# Altium PCB B0621_T01_V1.0.PcbDoc (part 1 of 2)
Units mm, origin at the board's own origin, x right, y up, seen from the top; angles counter-clockwise.
Board outline 42.07 x 60.08 mm, 4 copper layers (Top Layer, MidLayer1, MidLayer2, Bottom Layer); 173 components, 119 nets, 696 pads, 191 vias.
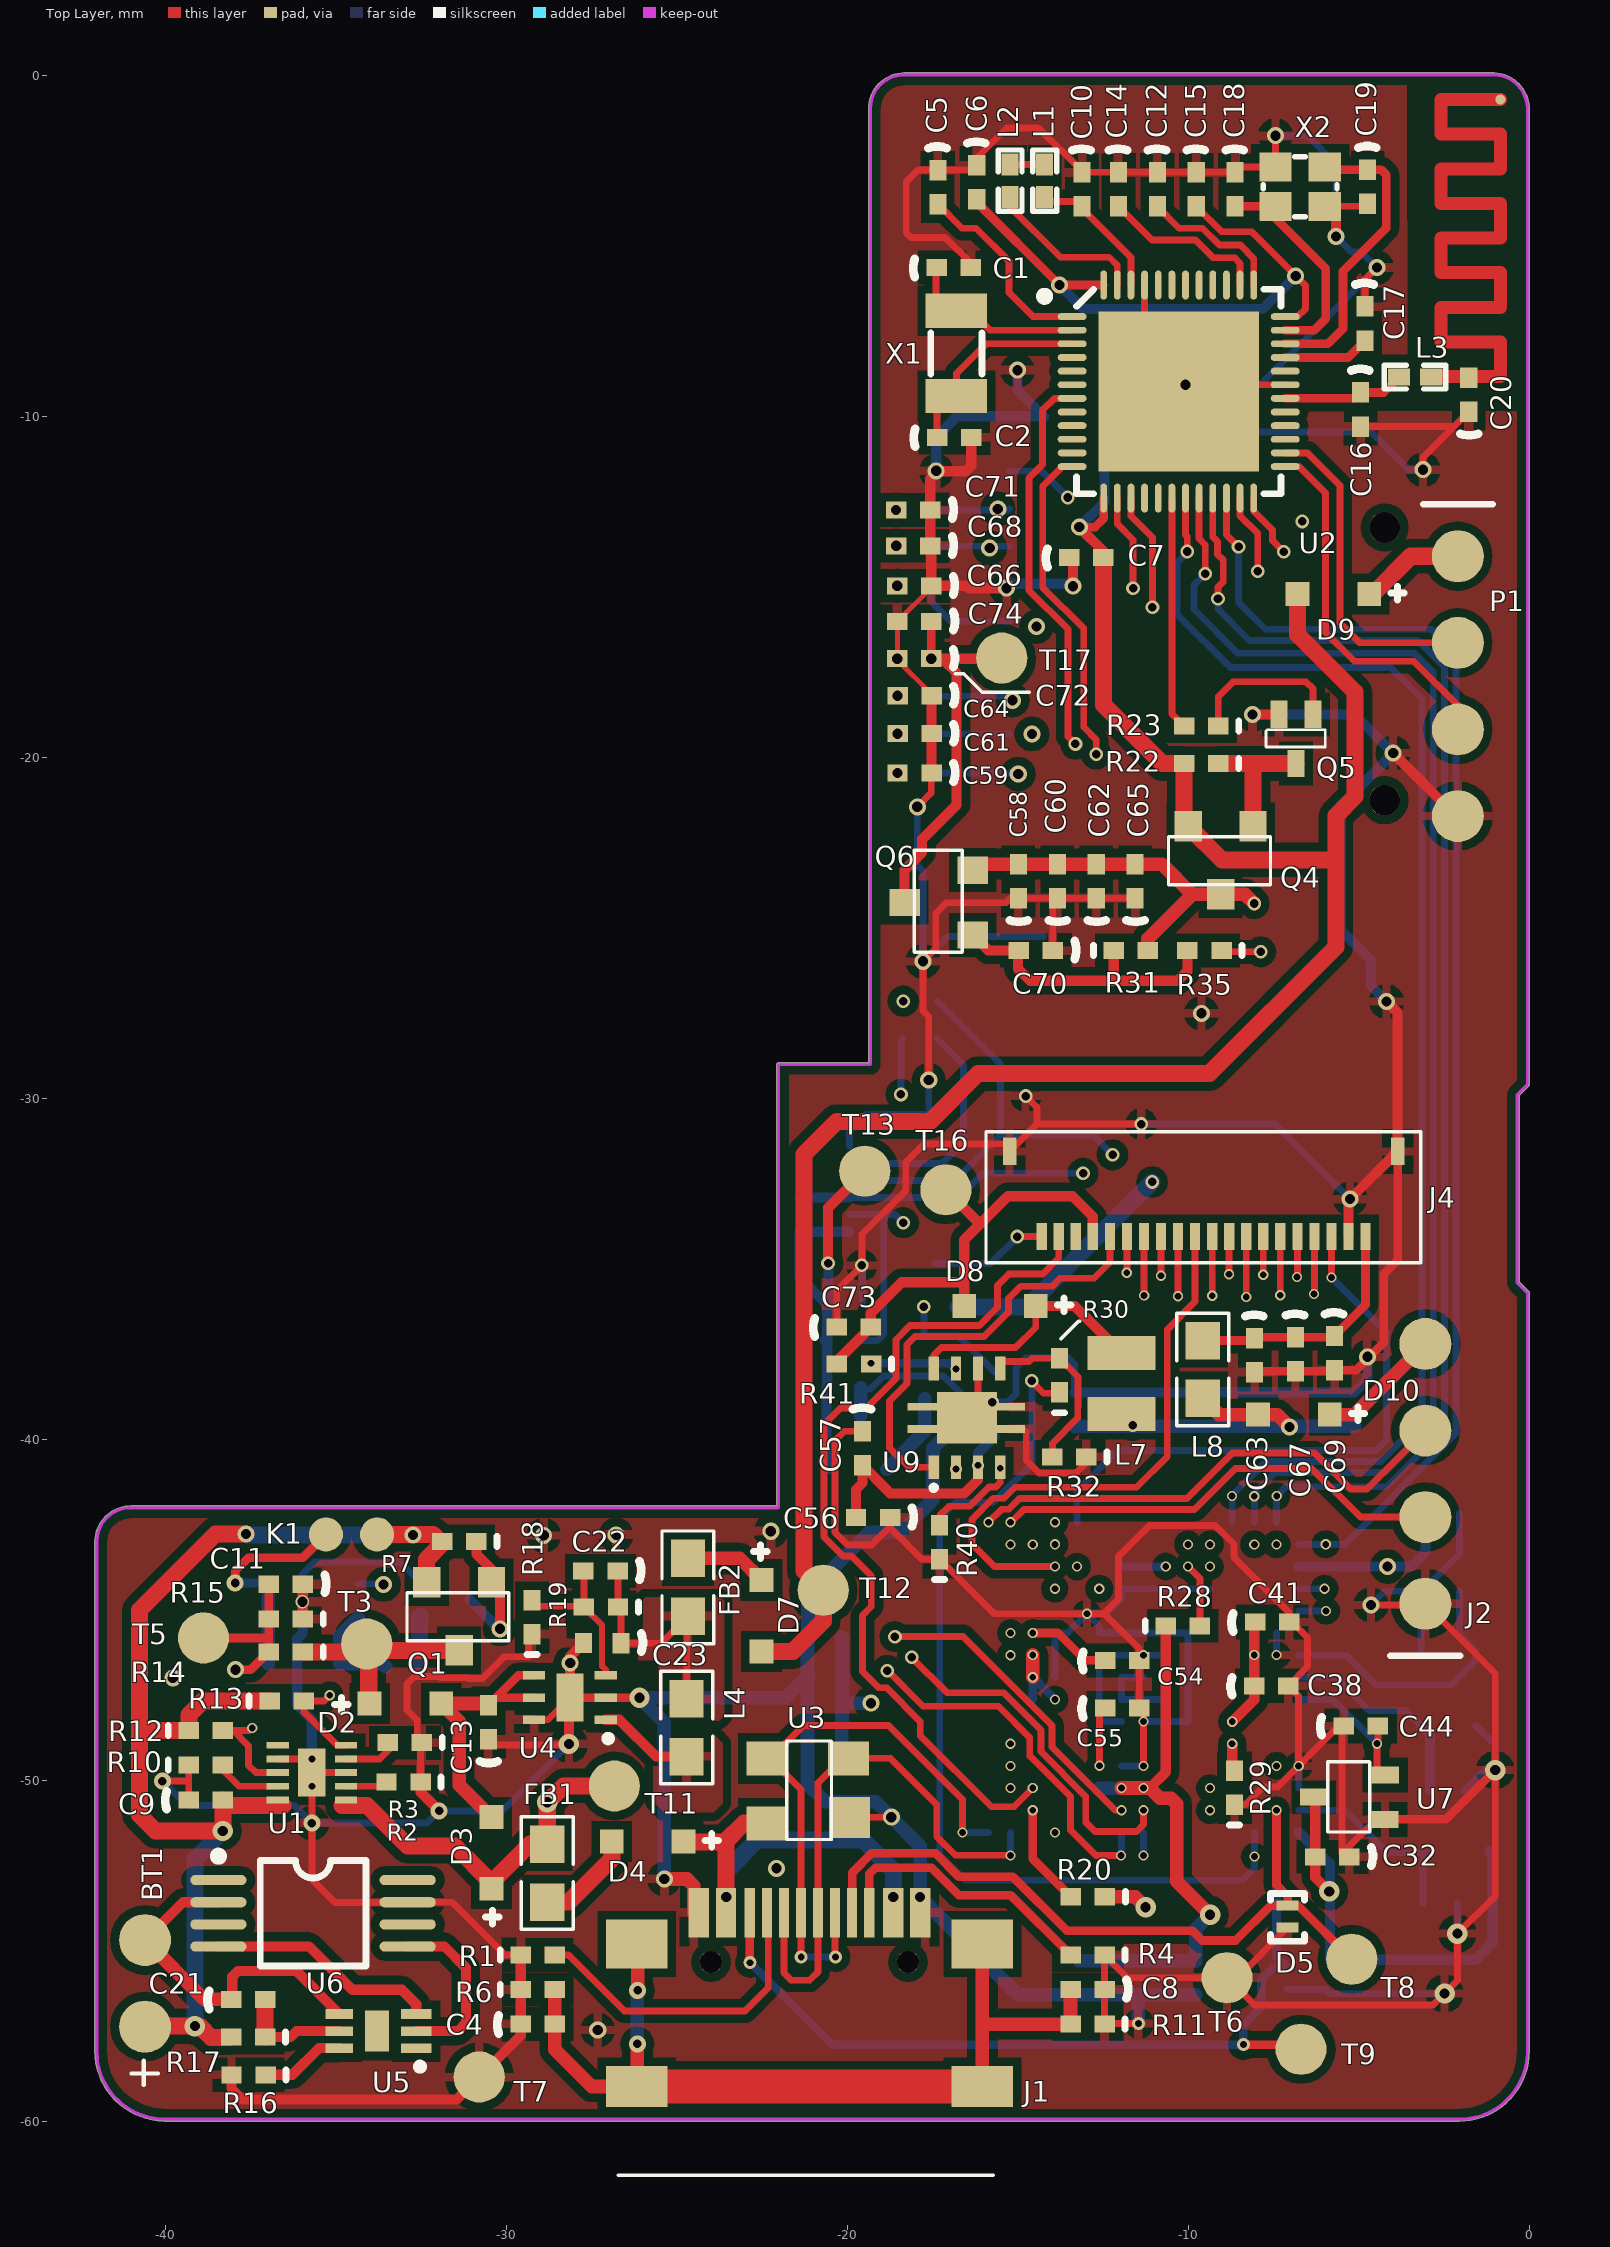
[diagram p0: Top Layer view]
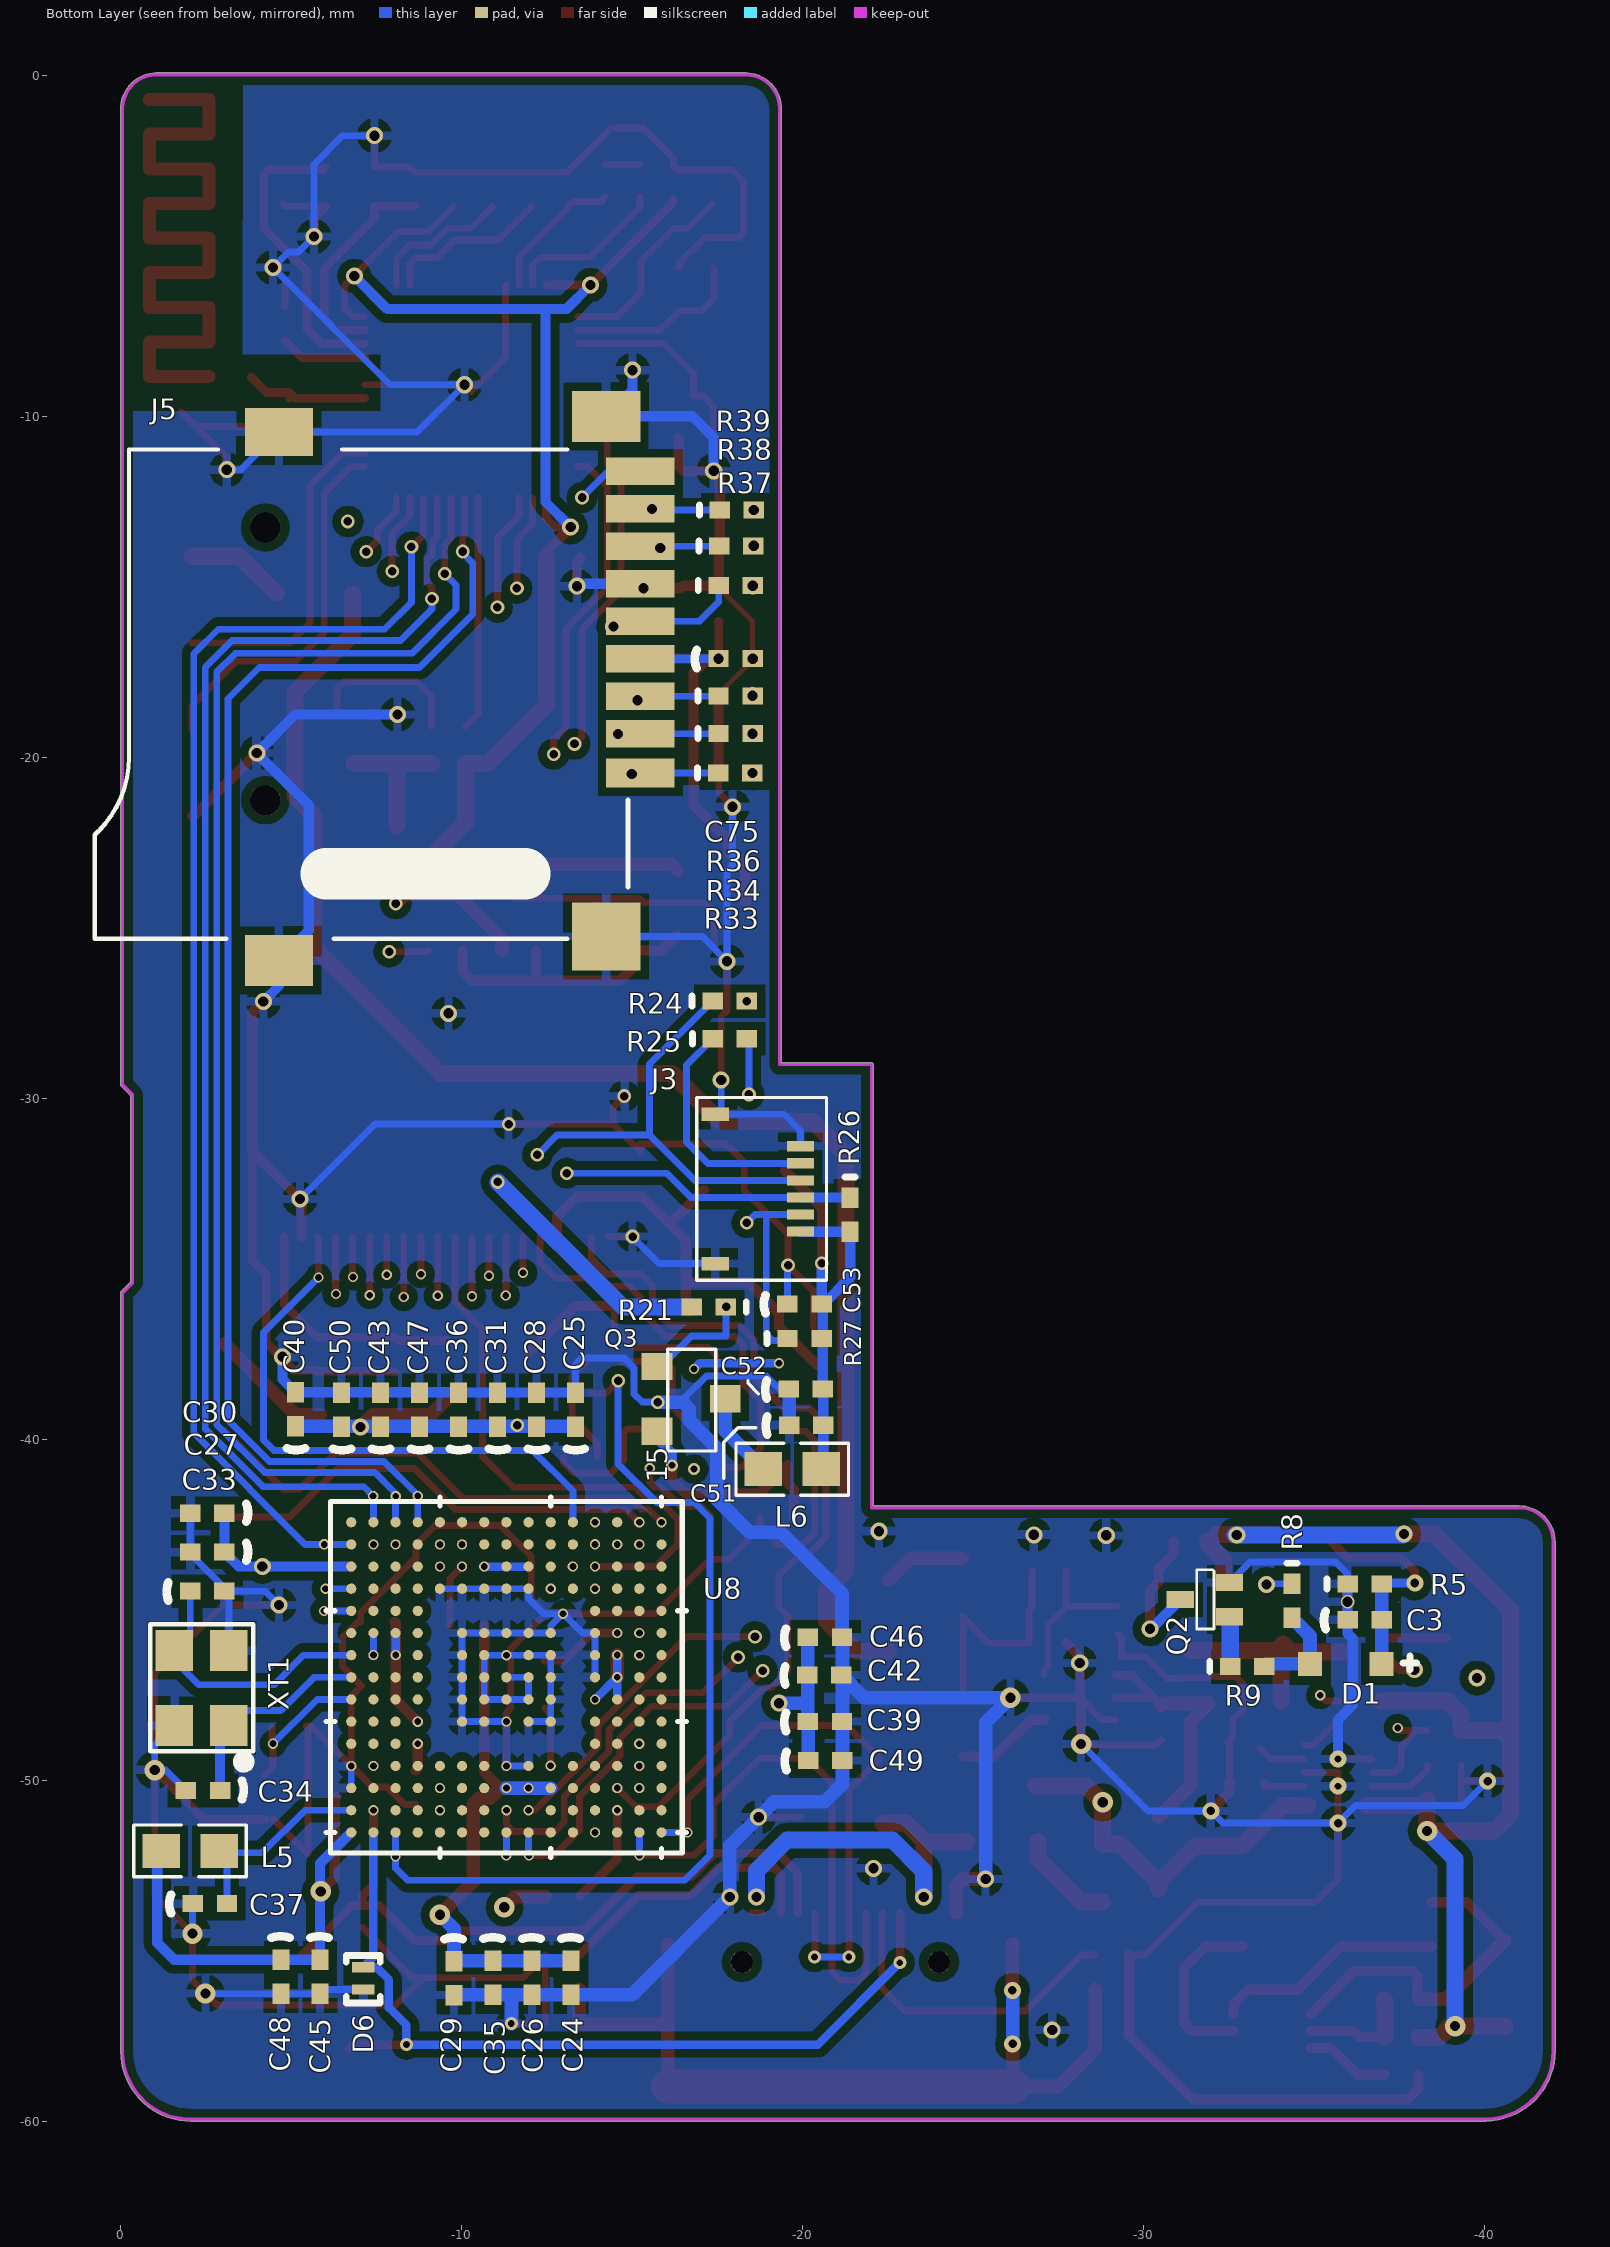
[diagram p1: Bottom Layer view, seen from below]
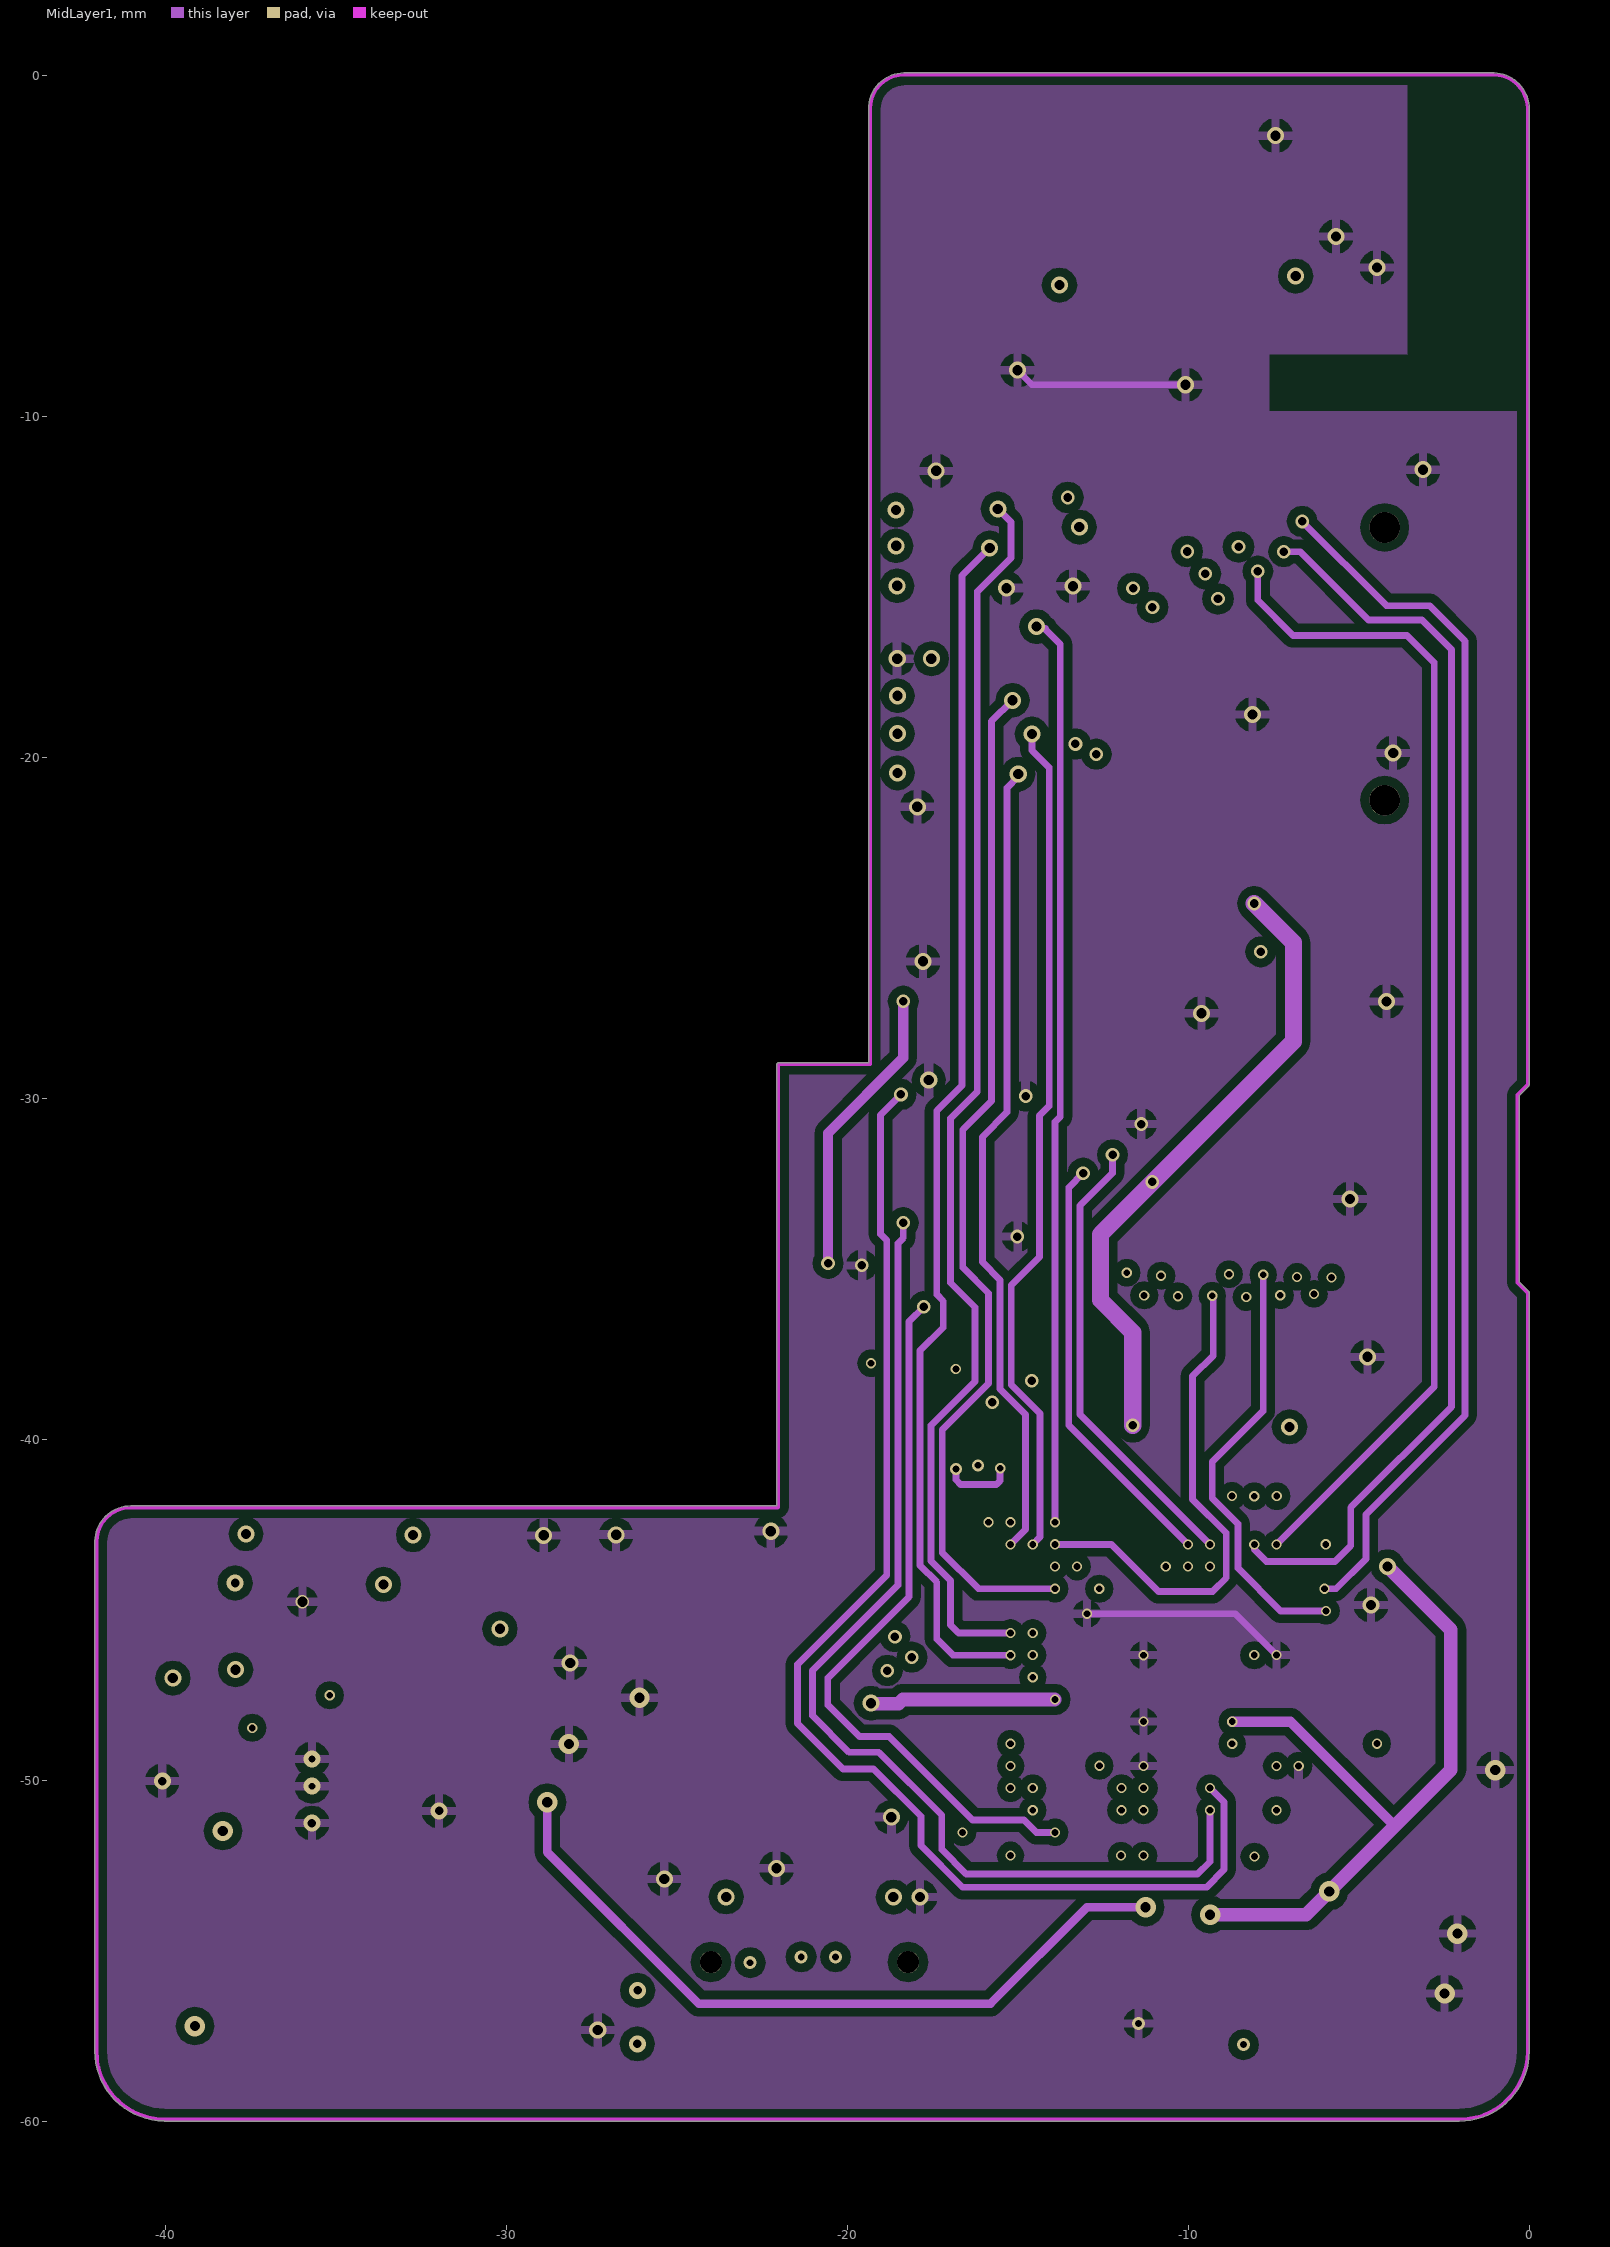
[diagram p2: MidLayer1]
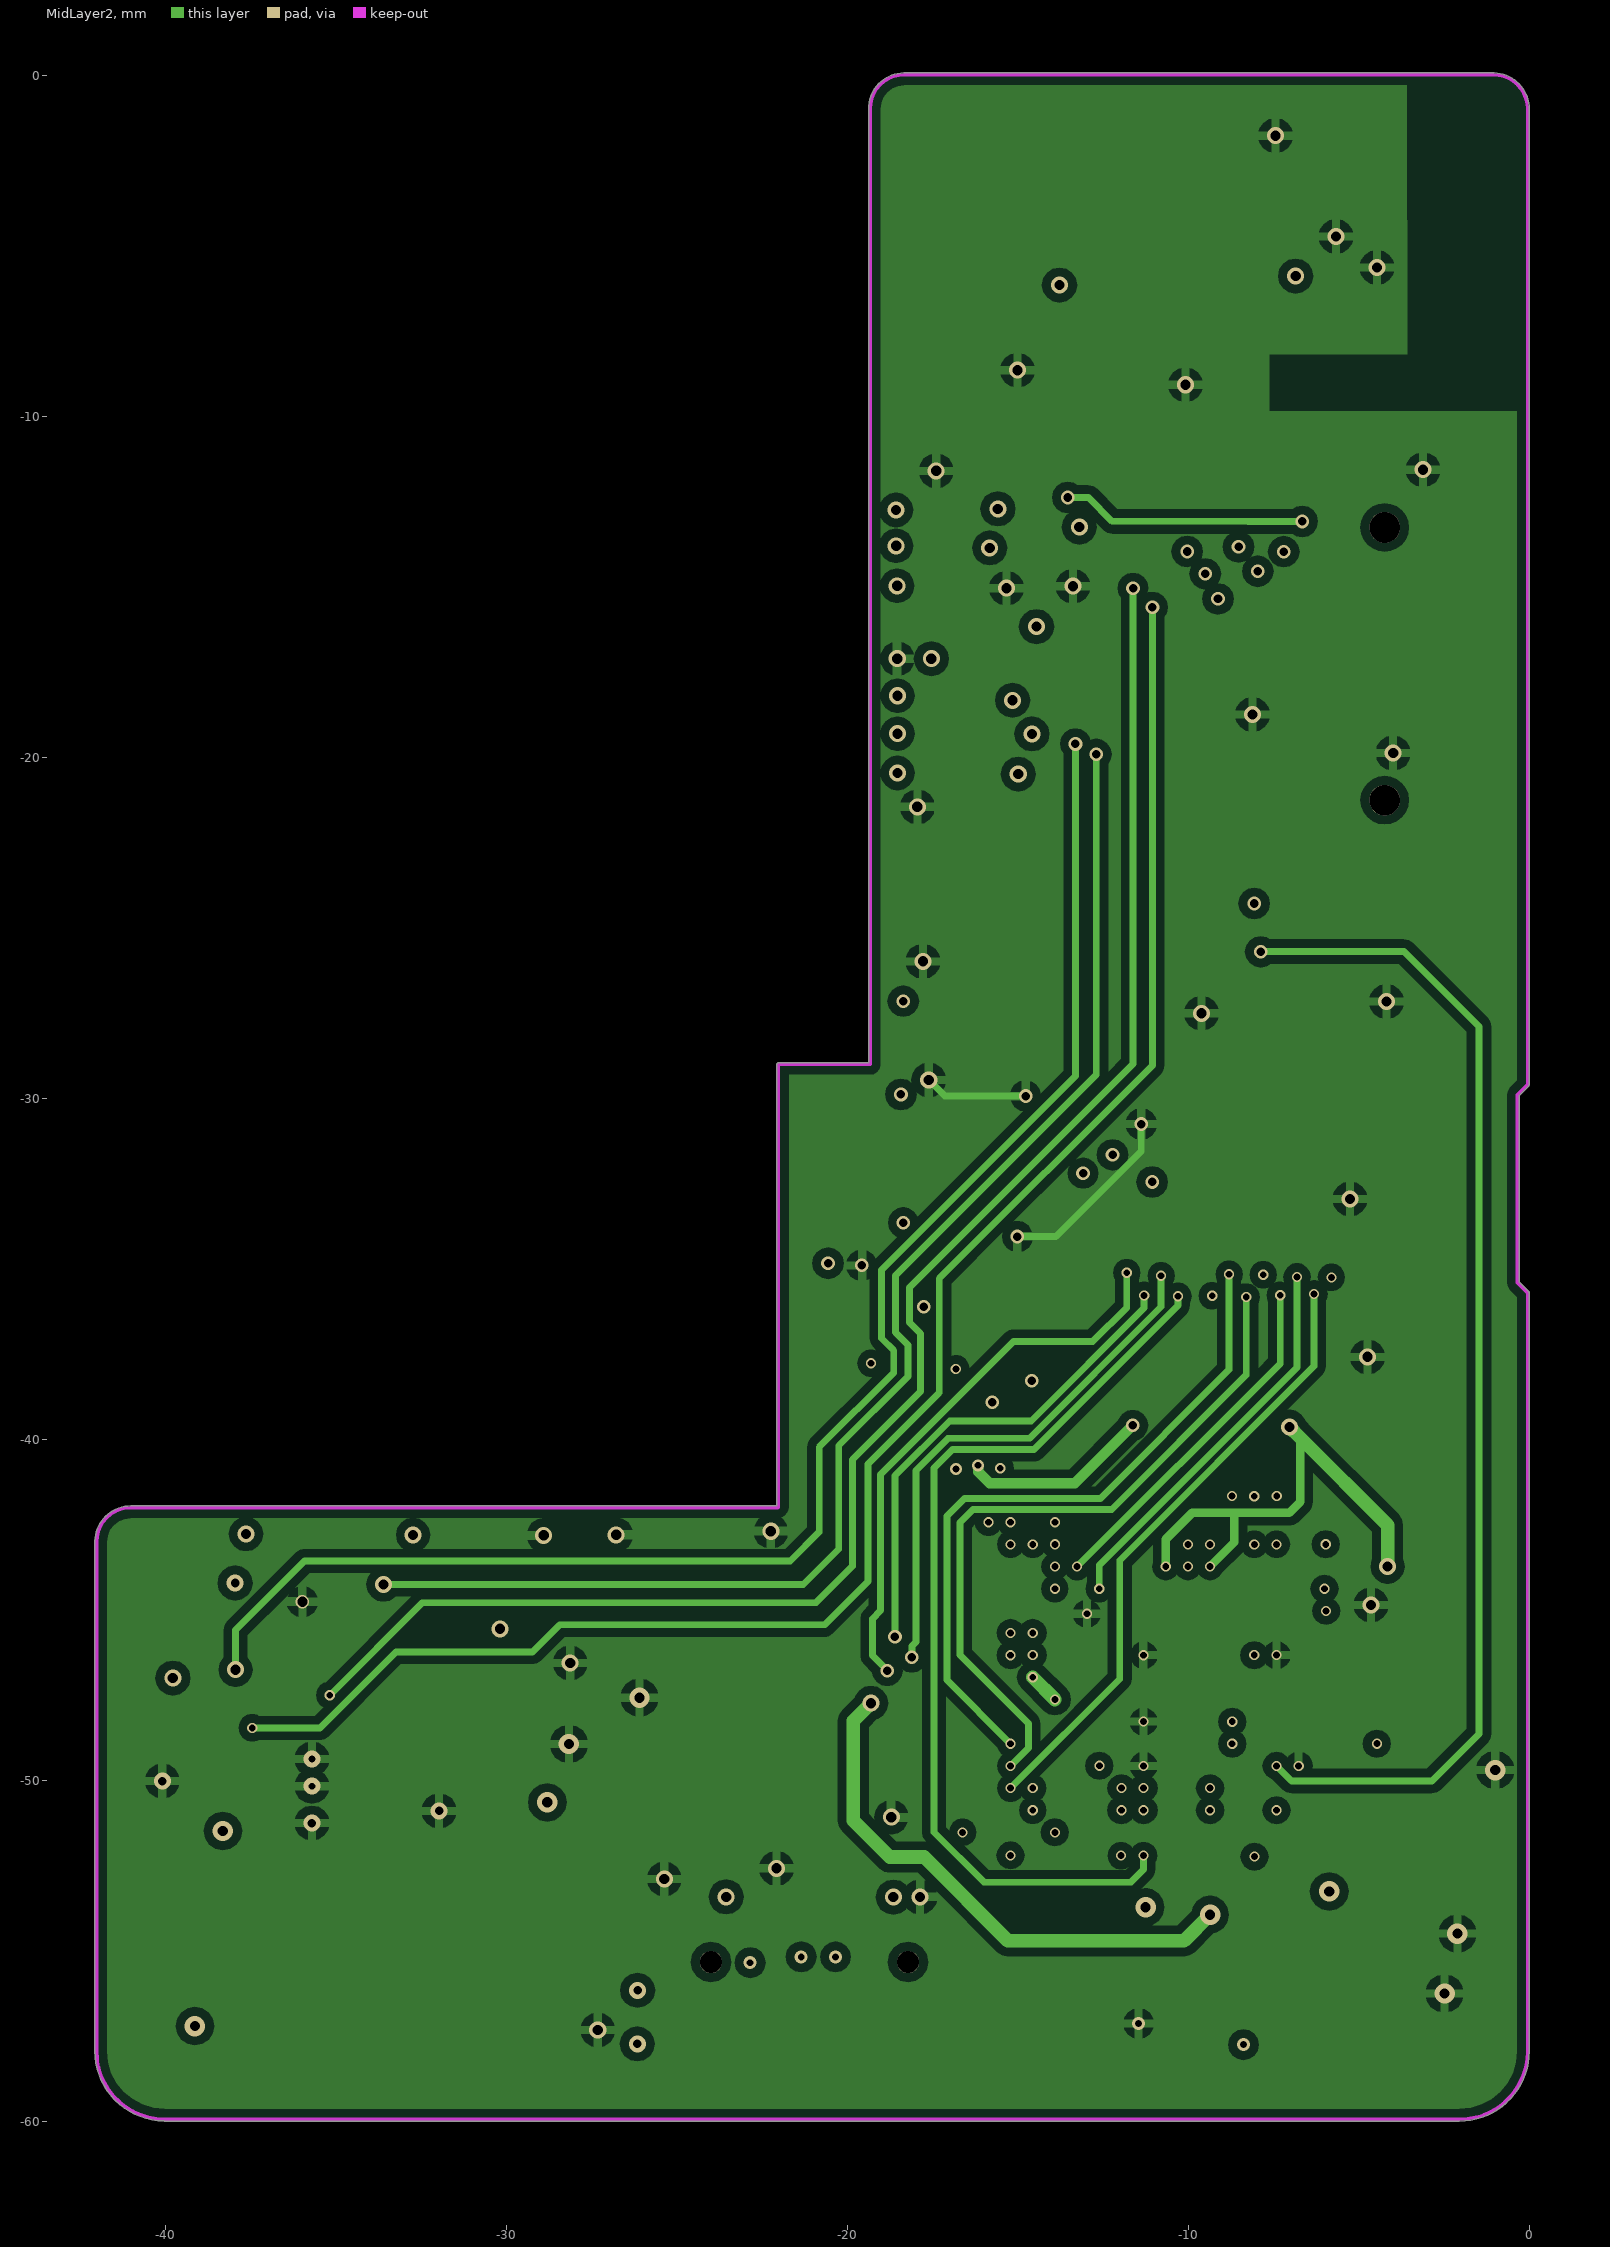
[diagram p3: MidLayer2]

## Layer stack, top to bottom
Top Layer: signal copper 0.0356
Dielectric: core 0.32, FR-4, Dk 4.8
MidLayer1: signal copper 0.0356
Dielectric: prepreg 0.32, FR-4, Dk 4.8
MidLayer2: signal copper 0.0356
Dielectric: core 0.32, FR-4, Dk 4.8
Bottom Layer: signal copper 0.0356

## Board outline
-42.075,-57.937 -42.075,-42.999 cw(c-42.024,-42.999) -42.071,-42.981 cw(c-41.021,-42.999) -41.021,-41.949 cw(c-41.021,-41.999) -41.02,-41.949 -22.072,-41.949 -22.072,-29.007 cw(c-22.022,-29.007) -22.057,-28.971 -22.045,-28.958 -22.045,-28.959 cw(c-22.009,-28.994) -22.009,-28.944 -19.38,-28.944 -19.38,-0.965 ccw(c-19.329,-0.965) -19.38,-0.965 ccw(c-19.329,-0.965) -19.38,-0.965 cw(c-18.329,-0.965) -18.348,0.085 cw(c-18.329,0.038) -18.329,0.088 -1.051,0.088 cw(c-1.051,0.038) -1.032,0.085 cw(c-1.051,-0.965) 0,-0.965 0,-29.592 cw(c-0.051,-29.592) -0.015,-29.627 -0.294,-29.906 -0.294,-35.382 -0.015,-35.66 cw(c-0.051,-35.696) 0,-35.696 0,-57.944 cw(c-2.051,-57.944) -2.051,-59.994 cw(c-2.051,-59.944) -2.054,-59.994 cw(c-2.057,-59.944) -2.057,-59.994 -40.018,-59.994 cw(c-40.018,-59.944) -40.043,-59.988 cw(c-40.024,-57.937)

## Design rules (kind name [scope] priority, off if disabled: settings)
Clearance [All] p1: gap=0.125
DiffPairsRouting [All] p1: maxlimit=0.5 minlimit=0.1 mostfreqgap=0.254 midlayer1_mingap=0.254 midlayer1_maxgap=0.254 midlayer2_mingap=0.254 midlayer2_maxgap=0.254 maxuncoupledlength=12.7
HoleToHoleClearance [All] p1: gap=0.125 allowstackedmicrovias=TRUE
MinimumSolderMaskSliver [All] p1: minsoldermaskwidth=0
PolygonConnect [All] p1: connectstyle=Relief reliefconductorwidth=0.254 reliefentries=4 polygonreliefangle="90 Angle" airgapwidth=0.254
RoutingVias [All] p1: holewidth=0.711 width=0.3 viastyle="Through Hole" minholewidth=0.2 minwidth=0.3 maxholewidth=0.711 maxwidth=1.27
SilkToSilkClearance [All] p1: silktosilkclearance=0
SilkToSolderMaskClearance [IsPad] p1: minsilkscreentomaskgap=0 clearancetoexposedcopper=TRUE
SolderMaskExpansion [All] p1: expansion=0.102
Width [All] p1: maxlimit=1 minlimit=0.125 preferedwidth=0.2 minimp=50.000000 maximp=50.000000 favimp=50.000000
23 further rules are at their usual default settings.

## Components (designator, comment, footprint, x,y, rotation, side; value= is the part's Value field where it differs from the comment)
BT1 "Battery" BAT_CON -40.602,-57.226 r90 top
C1 "12pF" 0402-c -17.767,-5.626 r0 top
C2 "12pF" 0402-c -17.755,-10.604 r0 top
C3 "100nF" 0402-c -35.598,-45.288 r180 bottom
C4 "1n/50V" 0402-c -29.972,-57.15 r0 top
C5 "100nF" 0402-c -17.348,-2.375 r270 top
C6 "100nF" 0402-c -16.205,-2.235 r270 top
C7 "100nF" 0402-c -13.877,-14.13 r0 top
C8 "1n/50V" 0402-c -12.065,-56.134 r180 top
C9 "1uF" 0402-c -39.708,-50.571 r0 top
C10 "1uF" 0402-c -13.119,-2.438 r270 top
C11 "100nF" 0402-c -35.585,-44.247 r180 top
C12 "12pF" 0402-c -10.909,-2.438 r270 top
C13 "1uF" 0402-c -30.531,-49.187 r90 top
C14 "12pF" 0402-c -12.052,-2.438 r270 top
C15 "100nF" 0402-c -9.766,-2.438 r270 top
C16 "0.8pF" 0402-c -4.942,-8.898 r270 top
C17 "100pF" 0402-c -4.813,-6.375 r270 top
C18 "12pF" 0402-c -8.623,-2.438 r270 top
C19 "12pF" 0402-c -4.737,-2.362 r270 top
C20 "1.2pF" 0402-c -1.773,-10.241 r90 top
C21 "0.1uF" 0402-c -38.468,-56.425 r0 top
C22 "22pF" 0402-c -26.352,-43.853 r180 top
C23 "10uF" 0402-C1 -26.391,-45.72 r180 top
C24 "1nF" 0402-c -13.208,-54.903 r270 bottom
C25 "100nF" 0402-c -13.335,-40.013 r90 bottom
C26 "10nF" 0402-c -12.065,-54.903 r270 bottom
C27 "10nF" 0402-c -3.429,-43.307 r0 bottom
C28 "100nF" 0402-c -12.192,-40.013 r90 bottom
C29 "100nF" 0402-c -9.777,-54.91 r270 bottom
C30 "100nF" 0402-c -3.429,-42.164 r0 bottom
C31 "100nF" 0402-c -11.049,-40.013 r90 bottom
C32 "100nF" 0402-c -4.886,-52.242 r180 top
C33 "22p" 0402-c -1.651,-44.45 r180 bottom
C34 "1n" 0402-C -3.302,-50.292 r0 bottom
C35 "1uF" 0402-c -10.922,-54.903 r270 bottom
C36 "1uF" 0402-c -9.906,-40.013 r90 bottom
C37 "100n" 0402-c -1.727,-53.611 r180 bottom
C38 "1nF" 0402-c -8.457,-47.226 r0 top
C39 "100nF" 0402-c -19.768,-48.275 r180 bottom
C40 "100nF" 0402-c -5.125,-40.006 r90 bottom
C41 "10nF" 0402-c -8.429,-45.356 r0 top
C42 "100nF" 0402-c -19.75,-46.912 r180 bottom
C43 "100nF" 0402-c -7.62,-40.013 r90 bottom
C44 "100nF" 0402-c -5.828,-48.401 r0 top
C45 "100nF" 0402-c -5.842,-54.872 r270 bottom
C46 "100nF" 0402-c -19.768,-45.802 r180 bottom
C47 "100nF" 0402-c -8.763,-40.013 r90 bottom
C48 "2.2uF" 0402-c -4.699,-54.872 r270 bottom
C49 "1uF" 0402-c -19.781,-49.419 r180 bottom
C50 "1uF" 0402-c -6.477,-40.013 r90 bottom
C51 "1uf" 0402-c -19.221,-39.582 r180 bottom
C52 "1n" 0402-c -19.204,-38.525 r180 bottom
C53 "1n" 0402-c -19.168,-36.022 r180 bottom
C54 "2.2uF" 0402-c -12.827,-46.482 r0 top
C55 "2.2uF" 0402-c -12.827,-47.879 r0 top
C56 "Cap" 0402-c -18.359,-42.288 r180 top
C57 "Cap" 0402-c -19.558,-39.37 r270 top
C58 "1uF" 0402-c -14.986,-24.511 r90 top
C59 "47pF" 0402-c -17.141,-20.449 r180 top
C60 "2.2uf" 0402-c -13.843,-24.511 r90 top
C61 "47pF" 0402-c -17.139,-19.297 r180 top
C62 "2.2uf" 0402-c -12.7,-24.511 r90 top
C63 "10nF" 0402-C -8.052,-36.64 r270 top
C64 "47pF" 0402-C -17.139,-18.183 r180 top
C65 "2.2uf" 0402-c -11.557,-24.511 r90 top
C66 "47pF" 0402-c -17.151,-14.958 r180 top
C67 "10nf" 0402-c -6.858,-36.614 r270 top
C68 "47pF" 0402-C -17.18,-13.785 r180 top
C69 "100n" 0402-c -5.715,-36.576 r270 top
C70 "220pf" 0402-c -13.589,-25.654 r180 top
C71 "47pF" 0402-C -17.182,-12.735 r180 top
C72 "1uF" 0402-c -17.148,-17.097 r180 top
C73 "Cap" 0402-c -20.701,-36.703 r0 top
C74 "10nf" 0402-c -17.146,-16.007 r180 top
C75 "100nf" 0402-c -17.145,-17.094 r180 bottom
D1 "PMEG3005EJ" SOD323 -34.887,-46.584 r180 bottom
D2 "PMEG3005EJ" SOD323 -31.914,-47.743 r180 top
D3 "PMEG3005EJ" SOD323 -30.442,-51.079 r270 top
D4 "PMEG3005EJ" SOD323 -26.911,-51.791 r0 top